# Altium PCB HealthSensors.PcbDoc
Units mm, origin at the board's own origin, x right, y up, seen from the top; angles counter-clockwise.
Board outline 50.5 x 66 mm, 2 copper layers (Top Layer, Bottom Layer); 149 components, 106 nets, 509 pads, 103 vias.
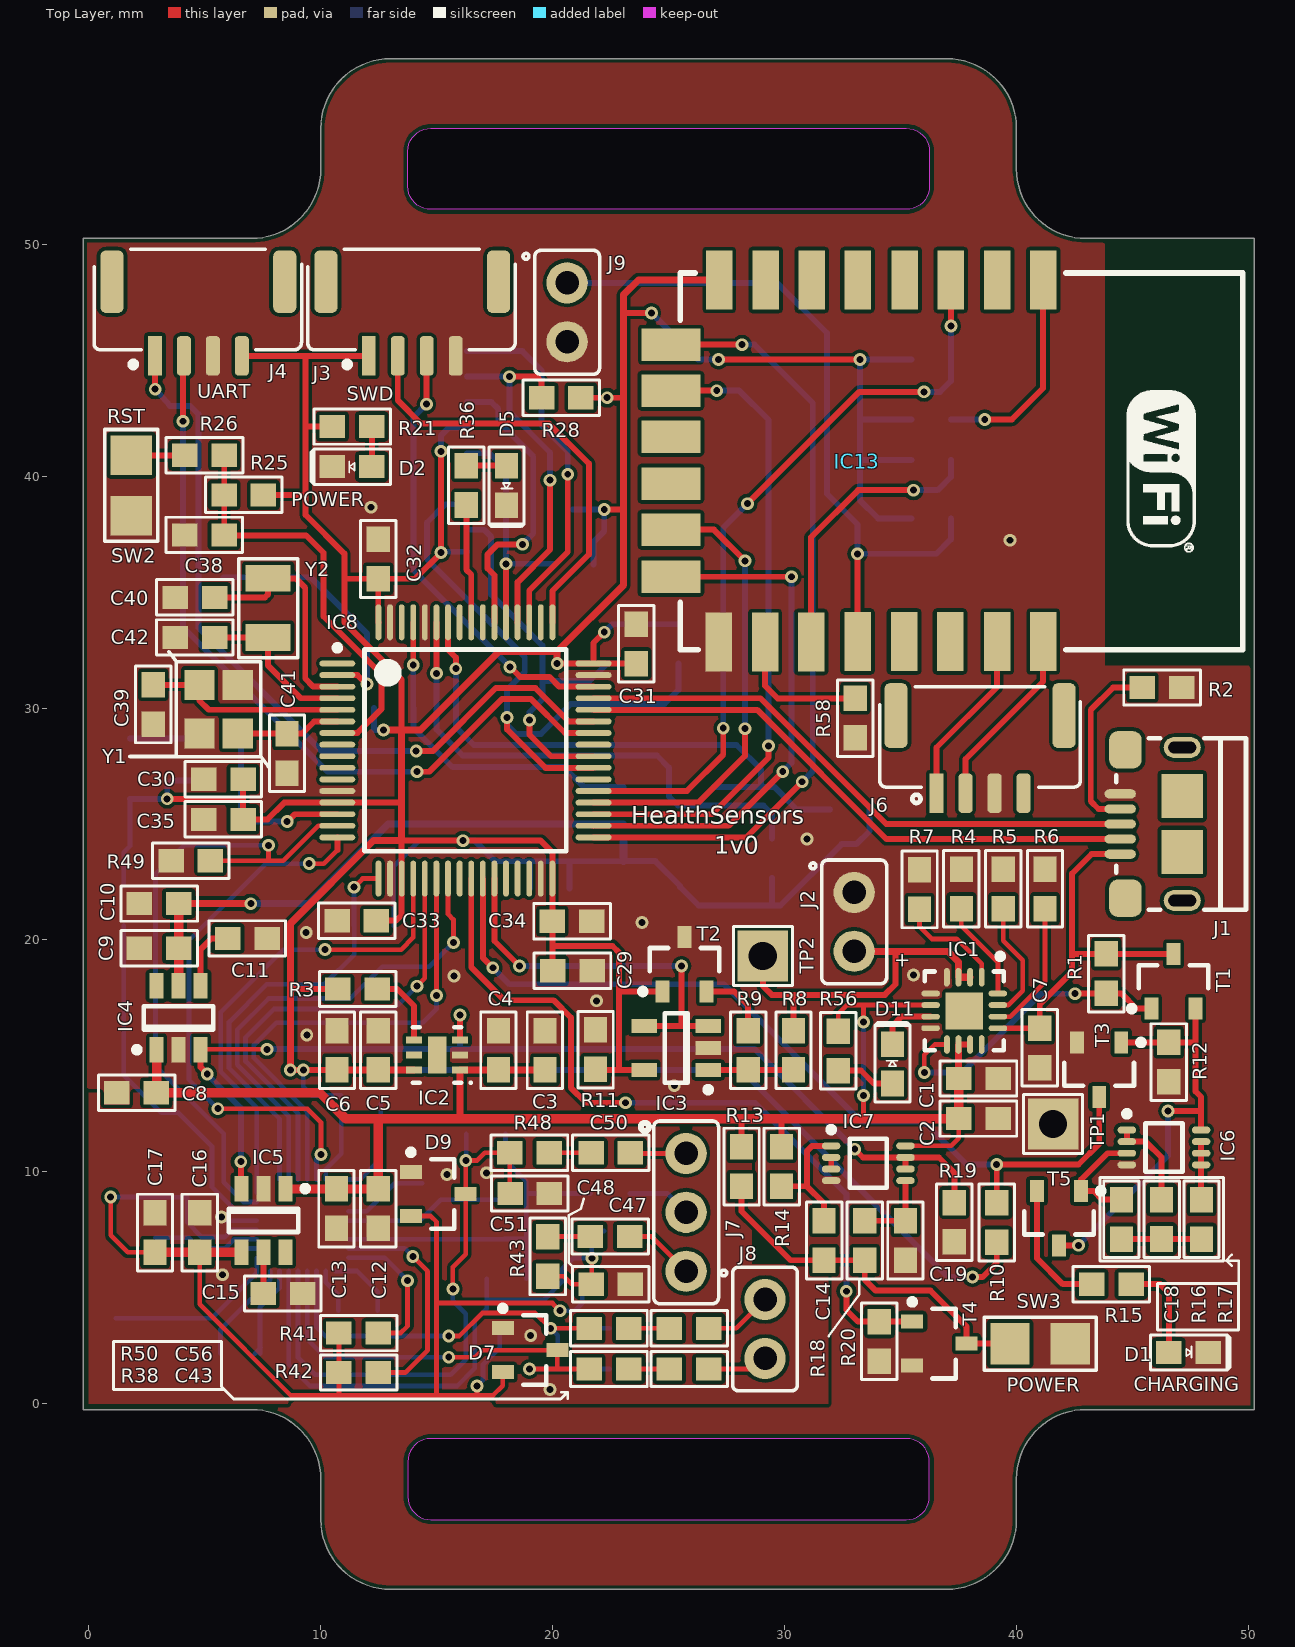
[diagram p0: Top Layer view]
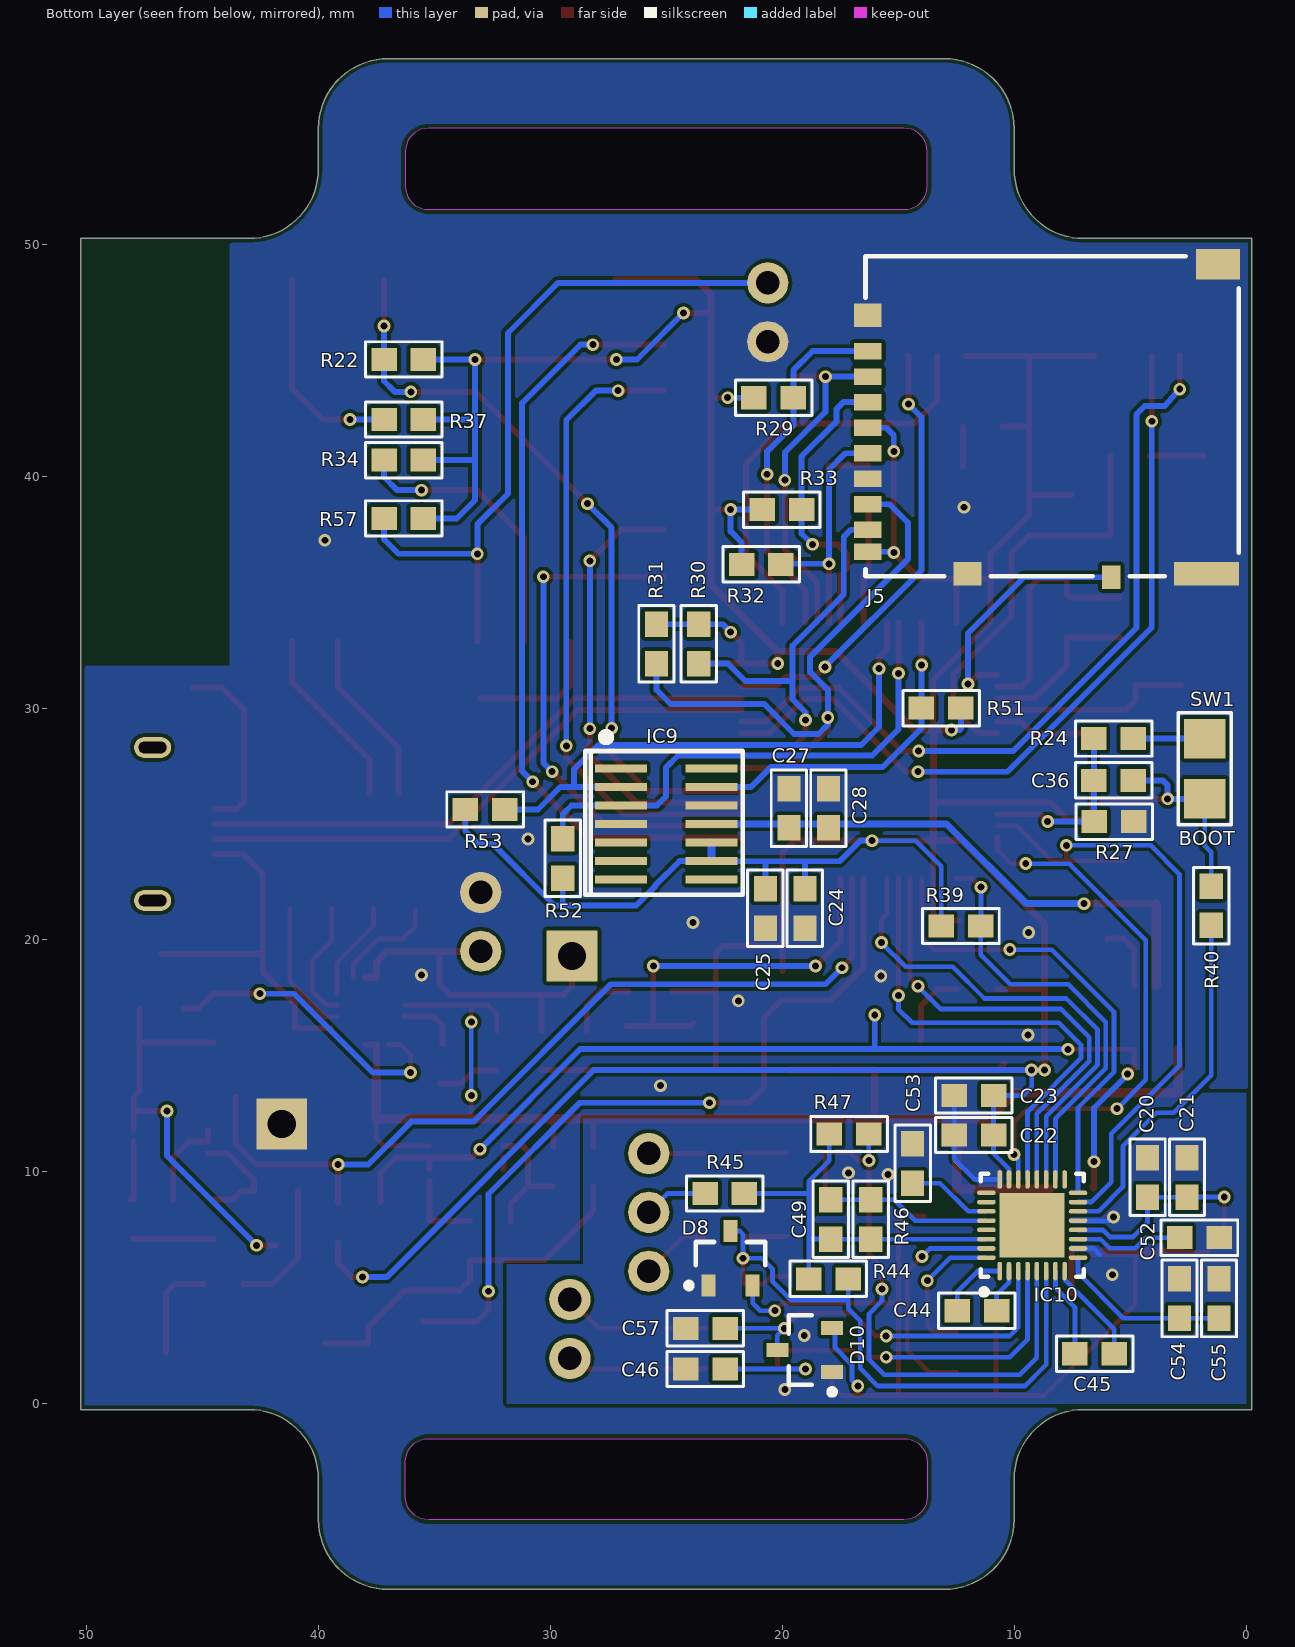
[diagram p1: Bottom Layer view, seen from below]

## Layer stack, top to bottom
Top Solder: solder mask 0.0102, Solder Resist, Dk 3.5
Top Layer: signal copper 0.0356
Dielectric 1: dielectric 0.32, FR-4, Dk 4.8
Bottom Layer: signal copper 0.0356
Bottom Solder: solder mask 0.0102, Solder Resist, Dk 3.5

## Board outline
-0.25,-0.25 7,-0.25 cw(c7,-3.25) 10,-3.25 10,-5 ccw(c13,-5) 13,-8 37,-8 ccw(c37,-5) 40,-5 40,-3.25 cw(c43,-3.25) 43,-0.25 50.25,-0.25 50.25,50.25 43,50.25 cw(c43,53.25) 40,53.25 40,55 ccw(c37,55) 37,58 13,58 ccw(c13,55) 10,55 10,53.25 cw(c7,53.25) 7,50.25 -0.25,50.25
cut-out: 13.75,52.5 13.75,54 cw(c14.75,54) 14.75,55 35.25,55 cw(c35.25,54) 36.25,54 36.25,52.5 cw(c35.25,52.5) 35.25,51.5 14.75,51.5 cw(c14.75,52.5)
cut-out: 13.75,-4 ccw(c14.75,-4) 14.75,-5 35.25,-5 ccw(c35.25,-4) 36.25,-4 36.25,-2.5 ccw(c35.25,-2.5) 35.25,-1.5 14.75,-1.5 ccw(c14.75,-2.5) 13.75,-2.5

## Design rules (kind name [scope] priority, off if disabled: settings)
BoardOutlineClearance [All] p1: gap=0.175 ignorepadtopadclearanceinfootprint=FALSE
Clearance [All] p1: gap=0.152 ignorepadtopadclearanceinfootprint=FALSE
HoleSize [All] p1: absolutevalues=TRUE maxlimit=2 minlimit=0.3 maxpercent=80.000 minpercent=20.000
HoleToHoleClearance [All] p1: gap=0.2 allowstackedmicrovias=TRUE
MinimumSolderMaskSliver [All] p1: minsoldermaskwidth=0.102
PolygonConnect [All] p1: connectstyle=Direct reliefconductorwidth=0.254 reliefentries=4 polygonreliefangle="90 Angle" airgapwidth=0.254
RoutingVias [All] p1: holewidth=0.3 width=2 viastyle="Through Hole" minholewidth=0.3 minwidth=0.55 maxholewidth=1 maxwidth=0.55
SilkToSilkClearance [All] p1: silktosilkclearance=0
SilkToSolderMaskClearance [IsPad] p1: minsilkscreentomaskgap=0.1 clearancetoexposedcopper=TRUE
SolderMaskExpansion [All] p1: expansion=0
Width [All] p1: maxlimit=1.016 minlimit=0.152 preferedwidth=0.203 minimp=50.000000 maximp=50.000000 favimp=50.000000
25 further rules are at their usual default settings.

## Components (designator, comment, footprint, x,y, rotation, side; value= is the part's Value field where it differs from the comment)
C1 "4.7uF" "CAP 0603" 38.362,14.025 r180 top
C2 "100nF" "CAP 0603" 38.362,12.297 r180 top
C3 "100nF" "CAP 0603" 19.667,15.244 r270 top
C4 "10uF" "CAP 0603" 17.661,15.244 r270 top
C5 "1uF" "CAP 0603" 12.479,15.244 r270 top
C6 "100nF" "CAP 0603" 10.701,15.244 r270 top
C7 "1uF" "CAP 0603" 41.003,15.345 r90 top
C8 "100nF" "CAP 0603" 2.057,13.411 r0 top
C9 "2.2uF" "CAP 0603" 3.03,19.638 r0 top
C10 "100nF" "CAP 0603" 3.03,21.568 r0 top
C11 "10nF" "CAP 0603" 6.833,20.066 r180 top
C12 "100nF" "CAP 0603" 12.479,8.411 r90 top
C13 "1uF" "CAP 0603" 10.676,8.411 r90 top
C14 "1uF" "CAP 0603" 31.707,7.04 r90 top
C15 "10nF" "CAP 0603" 8.364,4.754 r180 top
C16 "1uF" "CAP 0603" 4.783,7.382 r270 top
C17 "100nF" "CAP 0603" 2.852,7.382 r270 top
C18 "10uF" "CAP 0603" 44.526,7.95 r90 top
C19 "1uF" "CAP 0603" 35.212,7.04 r90 top
C20 "1uF" "CAP 0603" 4.245,9.76 r270 bottom
C21 "100nF" "CAP 0603" 2.543,9.76 r270 bottom
C22 "1uF" "CAP 0603" 11.738,11.589 r180 bottom
C23 "100nF" "CAP 0603" 11.738,13.29 r180 bottom
C24 "10uF" "CAP 0603" 19.025,21.361 r90 bottom
C25 "100nF" "CAP 0603" 20.726,21.361 r90 bottom
C27 "4.7uF" "CAP 0603" 19.71,25.679 r270 bottom
C28 "100nF" "CAP 0603" 18.009,25.679 r270 bottom
C29 "4.7uF" "CAP 0603" 20.853,18.669 r180 top
C30 "1uF" "CAP 0603" 5.799,26.928 r0 top
C31 "100nF" "CAP 0603" 23.604,32.77 r270 top
C32 "100nF" "CAP 0603" 12.479,36.427 r270 top
C33 "100nF" "CAP 0603" 11.553,20.832 r0 top
C34 "100nF" "CAP 0603" 20.836,20.806 r180 top
C35 "100nF" "CAP 0603" 5.799,25.201 r0 top
C36 "100nF" "CAP 0603" 5.711,26.881 r180 bottom
C38 "100nF" "CAP 0603" 4.978,37.465 r0 top
C39 "15pF" "CAP 0603" 2.776,30.154 r90 top
C40 "15pF" "CAP 0603" 4.572,34.773 r0 top
C41 "15pF" "CAP 0603" 8.542,28.045 r90 top
C42 "15pF" "CAP 0603" 4.572,33.045 r0 top
C43 "1uF" "CAP 0603" 25.883,1.499 r180 top
C44 "4.7nF" "CAP 0603" 11.608,4.013 r180 bottom
C45 "4.7nF" "CAP 0603" 6.528,2.159 r180 bottom
C46 "1nF" "CAP 0603" 23.317,1.499 r180 bottom
C47 "1uF" "CAP 0603" 22.479,7.214 r180 top
C48 "1nF" "CAP 0603" 22.504,5.156 r180 top
C49 "1.5nF" "CAP 0603" 17.907,7.95 r270 bottom
C50 "1uF" "CAP 0603" 22.504,10.82 r180 top
C51 "1nF" "CAP 0603" 19.013,9.068 r180 top
C52 "1uF" "CAP 0603" 2.007,7.163 r0 bottom
C53 "1uF" "CAP 0603" 14.376,10.363 r270 bottom
C54 "10uF" "CAP 0603" 2.867,4.54 r270 bottom
C55 "100nF" "CAP 0603" 1.165,4.54 r270 bottom
C56 "1uF" "CAP 0603" 25.883,3.251 r180 top
C57 "1nF" "CAP 0603" 23.317,3.251 r180 bottom
D1 "Orange" "LED 0603" 47.422,2.21 r0 top
D2 "Green" "LED 0603" 11.354,40.411 r180 top
D5 "Green" "LED 0603" 18.009,39.599 r270 top
D7 "BAT54S" SOT23 19.025,2.311 r0 top
D8 "BAT54S" SOT23 22.225,6.274 r90 bottom
D9 "BAT54S" SOT23 15.062,9.042 r0 top
D10 "BAT54S" SOT23 19.025,2.311 r0 bottom
D11 "Orange" "LED 0603" 34.653,14.66 r90 top
IC1 "BQ24232" QFN16 37.75,16.942 r270 top
IC2 "LP5912-3.3V" "WSON 6" 15.015,15.041 r180 top
IC3 "AS321" "SOT23, 5-Leads" 25.331,15.345 r180 top
IC4 "TPS799" "SOT23, 6-Leads" 3.868,16.641 r90 top
IC5 "TPS79133DBVREP" "SOT23, 6-Leads" 7.526,7.903 r270 top
IC6 "SN74LVC2G132" TSSOP8 46.363,11.053 r0 top
IC7 "SN74LVC2G132" TSSOP8 33.612,10.371 r0 top
IC8 "STM32L162" LQFP64_L 16.238,28.172 r0 top value=STM32L162RDT
IC9 "MAX30102" MAX30102 25,25 r180 bottom
IC10 "ADS1292" "QFN 40 no via in pad" 9.22,7.696 r90 bottom
IC13 "ESP12-E" "ESP8266 ESP-12-E" 24.74,31.877 r270 top
J1 "USB Micro" "FCI USB 10118193-0001LF" 47.1,25 r270 top
J2 "2 pin" "HDR 1x2 2.54" 33.002,20.781 r270 top
J3 "4 Pin GH SM" SM04B 13.945,46.787 r180 top
J4 "4 Pin GH SM" SM04B 4.724,46.787 r180 top
J5 "Micro SD" "HIROSE DM3AT-SF-PEJM5" 8.484,42.189 r90 bottom
J6 "4 Pin GH" BM04B 38.43,28.753 r180 top
J7 "3 Pin" "HDR 1x3 2.54" 25.756,8.255 r270 top
J8 "2 pin" "HDR 1x2 2.54" 29.159,3.226 r270 top
J9 "2 pin" "HDR 1x2 2.54" 20.625,47.066 r270 top
R1 "10k" "RES 0603" 43.873,18.546 r90 top
R2 "100k" "RES 0603" 46.279,30.886 r180 top
R3 "100k" "RES 0603" 11.59,17.885 r180 top
R4 "4.3k" "RES 0603" 37.625,22.203 r270 top
R5 "3.6k" "RES 0603" 39.428,22.203 r270 top
R6 "56k" "RES 0603" 41.232,22.203 r270 top
R7 "10k" "RES 0603" 35.822,22.178 r270 top
R8 "30k" "RES 0603" 30.386,15.244 r90 top
R9 "100k" "RES 0603" 28.43,15.244 r270 top
R10 "10k" "RES 0603" 39.149,7.815 r270 top
R11 "100k" "RES 0603" 21.852,15.269 r270 top
R12 "10k" "RES 0603" 46.566,14.736 r90 top
R13 "100k" "RES 0603" 28.147,10.229 r90 top
R14 "100k" "RES 0603" 29.874,10.229 r90 top
R15 "470" "RES 0603" 44.094,5.156 r180 top
R16 "100k" "RES 0603" 46.261,7.954 r90 top
R17 "51k" "RES 0603" 47.981,7.95 r90 top
R18 "5M" "RES 0603" 33.459,7.04 r270 top
R19 "100k" "RES 0603" 37.32,7.827 r90 top
R20 "100k" "RES 0603" 34.087,2.692 r90 top
R21 "470" "RES 0603" 11.354,42.139 r180 top
R22 "10k" "RES 0603" 36.322,45.034 r180 bottom
R24 "1k" "RES 0603" 5.711,28.684 r180 bottom
R25 "10k" "RES 0603" 6.68,39.192 r0 top
R26 "1k" "RES 0603" 4.986,40.898 r180 top
R27 "10k" "RES 0603" 5.686,25.103 r0 bottom
R28 "47k" "RES 0603" 20.371,43.383 r180 top
R29 "47k" "RES 0603" 20.371,43.383 r180 bottom
R30 "47k" "RES 0603" 23.597,32.766 r270 bottom
R31 "47k" "RES 0603" 25.425,32.766 r270 bottom
R32 "47k" "RES 0603" 20.904,36.195 r180 bottom
R33 "47k" "RES 0603" 20.015,38.557 r180 bottom
R34 "10k" "RES 0603" 36.322,40.691 r180 bottom
R36 "470" "RES 0603" 16.278,39.606 r270 top
R37 "10k" "RES 0603" 36.322,42.443 r180 bottom
R38 "30k" "RES 0603" 22.428,1.499 r180 top
R39 "10k" "RES 0603" 12.294,20.599 r0 bottom
R40 "10k" "RES 0603" 1.499,21.475 r90 bottom
R41 "10k" "RES 0603" 11.633,3.048 r180 top
R42 "10k" "RES 0603" 11.633,1.346 r180 top
R43 "30k" "RES 0603" 19.787,6.35 r270 top
R44 "10M" "RES 0603" 18.009,5.385 r0 bottom
R45 "30k" "RES 0603" 22.479,9.068 r180 bottom
R46 "1.5M" "RES 0603" 16.18,7.95 r270 bottom
R47 "10M" "RES 0603" 17.12,11.633 r0 bottom
R48 "30k" "RES 0603" 18.999,10.82 r180 top
R49 "10k" "RES 0603" 4.394,23.419 r0 top
R50 "30k" "RES 0603" 22.428,3.251 r180 top
R51 "10k" "RES 0603" 13.146,29.997 r180 bottom
R52 "10k" "RES 0603" 29.464,23.52 r270 bottom
R53 "10k" "RES 0603" 32.817,25.629 r0 bottom
R56 "10k" "RES 0603" 32.316,15.218 r90 top
R57 "10k" "RES 0603" 36.322,38.176 r180 bottom
R58 "10k" "RES 0603" 33.045,29.566 r90 top
SW1 "BUTTON-NO" "SW OMRON" 1.778,27.381 r90 bottom
SW2 "BUTTON-NO" "SW OMRON" 1.829,39.599 r270 top
SW3 "BUTTON-NO" "SW OMRON" 41.021,2.591 r0 top
T1 "FDV304P" SOT23 46.769,18.216 r90 top
T2 "2N7002" SOT23 25.687,18.952 r90 top
T3 "2N7002" SOT23 43.569,14.406 r270 top
T4 "2N7002" SOT23 36.678,2.591 r0 top
T5 "2N7002" SOT23 41.834,8.001 r270 top
TP1 "Test Point" "TP THT 48MILS" 41.58,12.065 r0 top
TP2 "Test Point" "TP THT 48MILS" 29.065,19.308 r0 top
Y1 "20M" "RESONATOR ILCX13" 5.57,29.95 r270 top
Y2 "Resonator" "RESONATOR CFPX–217" 7.729,34.319 r90 top

## Footprints (in the part's own frame and the unit in brackets; to place one, negate y for a bottom-side part, rotate by r counter-clockwise, add the part's x,y. Pads: shape width x height; smd on the part's side, far side on the other; paste and mask are expansions set on the pad)
BM04B [mm]
  rect 0.6x1.7 smd: 1(1.875,2.425)
  rrect50% 0.6x1.7 smd: 2(0.625,2.425) 3(-0.625,2.425) 4(-1.875,2.425)
  rrect50% 1x2.8 smd: 5(-3.625,-0.925) 6(3.625,-0.925)
  silkscreen extent -4.32,-2.16 4.32,2.84, body extent -4.15,-2.02 4.12,2.73, height 4
"CAP 0603" [mm] "Chip Capacitor, 2-Leads"
  rect 1.1x1 smd: 1(-0.85,0) 2(0.85,0)
  silkscreen extent -1.65,-0.76 1.65,0.76, body extent -0.8,-0.4 0.8,0.4, height 0.8
"ESP8266 ESP-12-E" [mil] "ESP8266 ESP-12-E"
  rect 100x45 smd: 1(-653,646) 2(-653,568) 3(-653,489) 4(-653,411) 5(-653,331) 6(-653,253) 7(-653,175) 8(-653,96) 15(-38,95) 16(-38,174) 17(-38,252) 18(-39,331) 19(-39,410) 20(-39,488) 21(-39,568) 22(-39,646)
  rect 55x100 smd: 9(-543,14) 10(-465,14) 11(-387,14) 12(-307,14) 13(-229,14) 14(-149,14)
  silkscreen extent -665,30 -25,985, body extent -659,33 -29,979, height 150
"FCI USB 10118193-0001LF" [mm] "USB 2.0 Type B Micro"
  oval 0.4x1.35 smd: 1(1.3,-2.625) 2(0.65,-2.625) 3(0,-2.625) 4(-0.65,-2.625) 5(-1.3,-2.625)
  oval 0.9x1.6 hole 0.5 slot 1.2 at 90 deg: S(-3.3,0.05) S(3.3,0.05)
  rrect50% 1.6x1.4 smd: S(-3.2,-2.4) S(3.2,-2.4)
  rect 1.9x1.8 smd: S(-1.2,0.05) S(1.2,0.05)
  silkscreen extent -3.7,-2.8 3.7,2.8, body extent -3.93,-2.9 3.93,2.76, height 2.78
"HDR 1x2 2.54" [mil]
  round 70 hole 40: 1(-50,0) 2(50,0)
  silkscreen extent -105,-75 105,55, body extent -100,-47 100,47, height 339
"HDR 1x3 2.54" [mil]
  round 70 hole 40: 1(-100,0) 2(0,0) 3(100,0)
  silkscreen extent -155,-77 155,55, body extent -150,-47 149,47, height 339
"HIROSE DM3AT-SF-PEJM5" [mm]
  rect 0.7x1.2 smd: 1(3.2,7.825) 2(2.1,7.825) 3(1,7.825) 4(-0.1,7.825) 5(-1.2,7.825) 6(-2.3,7.825) 7(-3.4,7.825) 8(-4.5,7.825) 9(-5.45,7.825)
  rect 1x0.8 smd: 10(-6.55,-2.675)
  rect 1x2.8 smd: S(-6.4,-6.775)
  rect 1x1.2 smd: S(-6.4,3.525) S(4.75,7.825)
  rect 1.3x1.9 smd: S(6.95,-7.275)
  silkscreen extent -6.5,-8.18 7.3,7.93, body extent -6.53,-8.17 7.32,7.98, height 1.68
"LED 0603" [mm] "Chip Diode, 2-Leads"
  rect 1.1x1 smd: 1(-0.85,0) 2(0.85,0)
  silkscreen extent -1.65,-0.76 1.78,0.76, body extent -0.8,-0.4 0.8,0.4, height 0.53
LQFP64_L [mm] "Thin QFP, 64-Leads, Body 10x10mm, Pitch 0.5mm, IPC High Density"
  oval 1.55x0.25 smd: 1(-5.525,3.75) 2(-5.525,3.25) 3(-5.525,2.75) 4(-5.525,2.25) 5(-5.525,1.75) 6(-5.525,1.25) 7(-5.525,0.75) 8(-5.525,0.25) 9(-5.525,-0.25) 10(-5.525,-0.75) 11(-5.525,-1.25) 12(-5.525,-1.75) 13(-5.525,-2.25) 14(-5.525,-2.75) 15(-5.525,-3.25) 16(-5.525,-3.75) 33(5.525,-3.75) 34(5.525,-3.25) 35(5.525,-2.75) 36(5.525,-2.25) 37(5.525,-1.75) 38(5.525,-1.25) 39(5.525,-0.75) 40(5.525,-0.25) 41(5.525,0.25) 42(5.525,0.75) 43(5.525,1.25) 44(5.525,1.75) 45(5.525,2.25) 46(5.525,2.75) 47(5.525,3.25) 48(5.525,3.75)
  oval 0.25x1.55 smd: 17(-3.75,-5.525) 18(-3.25,-5.525) 19(-2.75,-5.525) 20(-2.25,-5.525) 21(-1.75,-5.525) 22(-1.25,-5.525) 23(-0.75,-5.525) 24(-0.25,-5.525) 25(0.25,-5.525) 26(0.75,-5.525) 27(1.25,-5.525) 28(1.75,-5.525) 29(2.25,-5.525) 30(2.75,-5.525) 31(3.25,-5.525) 32(3.75,-5.525) 49(3.75,5.525) 50(3.25,5.525) 51(2.75,5.525) 52(2.25,5.525) 53(1.75,5.525) 54(1.25,5.525) 55(0.75,5.525) 56(0.25,5.525) 57(-0.25,5.525) 58(-0.75,5.525) 59(-1.25,5.525) 60(-1.75,5.525) 61(-2.25,5.525) 62(-2.75,5.525) 63(-3.25,5.525) 64(-3.75,5.525)
  silkscreen extent -5.65,-4.35 4.35,4.55, body extent -5,-5 5,5, height 1.6
MAX30102 [mm]
  rect 2.25x0.35 smd mask+0: 1(-1.95,2.4) 2(-1.95,1.6) 3(-1.95,0.8) 4(-1.95,0) 5(-1.95,-0.8) 6(-1.95,-1.6) 7(-1.95,-2.4) 8(1.95,-2.4) 9(1.95,-1.6) 10(1.95,-0.8) 11(1.95,0) 12(1.95,0.8) 13(1.95,1.6) 14(1.95,2.4)
  silkscreen extent -3.5,-3.05 3.3,3.8, body extent -1.65,-2.8 1.65,2.8, height 1
QFN16 [mm] "QFN, 16-Leads, Body 3.00x3.00mm, Pitch 0.50mm, Thermal Pad 1.68x1.68mm, IPC Medium Density"
  oval 0.8x0.25 smd: 1(-1.45,0.75) 2(-1.45,0.25) 3(-1.45,-0.25) 4(-1.45,-0.75) 9(1.45,-0.75) 10(1.45,-0.25) 11(1.45,0.25) 12(1.45,0.75)
  oval 0.25x0.8 smd: 5(-0.75,-1.45) 6(-0.25,-1.45) 7(0.25,-1.45) 8(0.75,-1.45) 13(0.75,1.45) 14(0.25,1.45) 15(-0.25,1.45) 16(-0.75,1.45)
  rect 1.6x1.6 smd: 17(0,0)
  silkscreen extent -2.47,-1.7 1.7,1.7, body extent -1.55,-1.55 1.55,1.55, height 1
"QFN 40 no via in pad" [mm] "QFN, 32-Leads, Body 4,00x4,00mm, Pitch 0,40mm, Thermal Pad 2,80x2,80mm, IPC Medium Density"
  oval 0.8x0.2 smd mask+0: 1(-1.975,1.4) 2(-1.975,1) 3(-1.975,0.6) 4(-1.975,0.2) 5(-1.975,-0.2) 6(-1.975,-0.6) 7(-1.975,-1) 8(-1.975,-1.4) 17(1.975,-1.4) 18(1.975,-1) 19(1.975,-0.6) 20(1.975,-0.2) 21(1.975,0.2) 22(1.975,0.6) 23(1.975,1) 24(1.975,1.4)
  oval 0.2x0.8 smd mask+0: 9(-1.4,-1.975) 10(-1,-1.975) 11(-0.6,-1.975) 12(-0.2,-1.975) 13(0.2,-1.975) 14(0.6,-1.975) 15(1,-1.975) 16(1.4,-1.975) 25(1.4,1.975) 26(1,1.975) 27(0.6,1.975) 28(0.2,1.975) 29(-0.2,1.975) 30(-0.6,1.975) 31(-1,1.975) 32(-1.4,1.975)
  rect 2.8x2.8 smd mask+0: 33(0,0)
  silkscreen extent -3,-2.22 2.22,2.22, body extent -2.08,-2.08 2.08,2.08, height 1
"RES 0603" [mm] "Chip Resistor, 2-Leads"
  rect 1.1x1 smd: 1(-0.85,0) 2(0.85,0)
  silkscreen extent -1.65,-0.76 1.65,0.76, body extent -0.8,-0.4 0.8,0.4, height 0.35
"RESONATOR CFPX–217" [mm] "RESONATOR, CFPX–217, 32k"
  rect 1.15x1.95 smd: 1(-1.275,0) 2(1.275,0)
  silkscreen extent -2.15,-1.27 2.12,1.27, body extent -1.57,-0.8 1.63,0.8, height 0.55
"RESONATOR ILCX13" [mm] "RESONATOR, ILCX13, 20MHz"
  rect 1.3x1.3 smd: 1(-1.05,-0.8) 2(1.05,-0.8) 3(1.05,0.85) 4(-1.05,0.85)
  silkscreen extent -2.47,-2.12 2.47,2.17, body extent -1.55,-1.25 1.5,1.35, height 0.55
SM04B [mm]
  rect 0.6x1.7 smd: 1(1.875,1.6)
  rrect50% 0.6x1.7 smd: 2(0.625,1.6) 3(-0.625,1.6) 4(-1.875,1.6)
  rrect50% 1x2.7 smd: M1(3.725,-1.6) M2(-3.725,-1.6)
  silkscreen extent -4.45,-3 4.5,2.05, body extent -4.16,-2.82 4.15,1.91, height 4.25
SOT23 [mm] "SOT23, 3-Leads, Body 2.90x2.40mm, Pitch 0.95mm, IPC Medium Density"
  rect 0.95x0.6 smd: 1(-1.175,0.95) 2(-1.175,-0.95) 3(1.175,0)
  silkscreen extent -1.3,-1.5 0.7,1.92, body extent -0.7,-1.5 0.7,1.5, height 1.1
"SOT23, 5-Leads" [mm] "SOT23, 5-Leads, Body 2.88x2.80mm, Pitch 0.95mm, IPC Medium Density"
  rect 1.1x0.6 smd: 1(-1.375,0.95) 2(-1.375,0) 3(-1.375,-0.95) 4(1.375,-0.95) 5(1.375,0.95)
  silkscreen extent -1.5,-1.5 0.5,1.92, body extent -0.88,-1.5 0.87,1.5, height 1.45
"SOT23, 6-Leads" [mm] "SOT23, 6-Leads, Body 2.88x2.80mm, Pitch 0.95mm, IPC Medium Density"
  rect 1.1x0.6 smd: 1(-1.375,0.95) 2(-1.375,0) 3(-1.375,-0.95) 4(1.375,-0.95) 5(1.375,0) 6(1.375,0.95)
  silkscreen extent -1.5,-1.5 0.5,1.92, body extent -0.88,-1.5 0.87,1.5, height 1.45
"SW OMRON" [mm] "SWITCH, OMRON, SMALL"
  rect 1.7x1.8 smd mask+0: 1(-1.3,0) 2(1.3,0)
  silkscreen extent -2.41,-1.14 2.41,1.14, body extent -1.51,-1.25 1.49,1.25, height 1.6
"TP THT 48MILS" [mil]
  rect 86x86 hole 48: 1(0,0)
  silkscreen extent -50,-50 50,50
TSSOP8 [mm] "TSSOP, 8-Leads, Body 2.00x2.30mm, Pitch 0.50mm, IPC Medium Density"
  oval 0.8x0.3 smd: 1(-1.6,0.75) 2(-1.6,0.25) 3(-1.6,-0.25) 4(-1.6,-0.75) 5(1.6,-0.75) 6(1.6,-0.25) 7(1.6,0.25) 8(1.6,0.75)
  silkscreen extent -1.72,-1.05 0.8,1.57, body extent -1.2,-1.05 1.2,1.05, height 0.9
"WSON 6" [mm] "SON, 6-Leads, Body 2.00x2.00mm, Pitch 0.65mm, Thermal Pad 1.60x0.89mm, IPC Medium Density"
  rect 0.7x0.3 smd: 1(-0.995,0.65) 2(-0.995,0) 3(-0.995,-0.65) 4(0.995,-0.65) 5(0.995,0) 6(0.995,0.65)
  rect 0.8x1.6 smd: 7(0,0)
  silkscreen extent -1.5,-1.2 1.05,1.25, body extent -1.05,-1.05 1.05,1.05, height 0.8

## Part data
C1 C2 C3 C4 C5 C6 C7 C8 C9 C10 C11 C12 C13 C14 C15 C16 C17 C18 C19 C20 C21 C22 C23 C24 C25 C27 C28 C29 C30 C31 C32 C33 C34 C35 C36 C38 C39 C40 C41 C42 C43 C44 C45 C46 C47 C48 C49 C50 C51 C52 C53 C54 C55 C56 C57: library part Capacitor, "SMT Capacitor"
D1 D2 D5 D11: library part LED, "Chip LED"
D7 D8 D9 D10: "Schottky barrier diodes"
IC1: library part "TI BQ24232", "USB Friendly 0.5A Li+ Charger w/ Dynamic Power Management"
IC2: library part "TI LP5912-3.3V", "50 mA, 3 V TO 50 V, MICROPOWER, LOW-DROPOUT LINEAR REGULATOR"
IC3: "Op amp"
IC4: library part "TI TPS799", "TPS799 200-mA, Low-Quiescent Current, Ultralow Noise, High-PSRR Low-Dropout Linear  Regulator"
IC5: library part "TI TPS79133DBVREP", "ULTRALOW NOISE, HIGH PSRR, FAST RF, 100-mA  LOW-DROPOUT LINEAR REGULATORS"
IC6 IC7: "Dual 2-Input NAND Gate With Schmitt-Trigger Inputs"
IC8: "STM32 ARM-based 32-bit MCU with 32 Kbytes Flash, 64-pin LQFP", Package=LQFP64, ComponentLink1Description=http://www.st.com/content/ccc/resource/technical/document/datasheet/ee/d5/84/2b/a9/ae/44/3d/DM00039232.pdf/files/DM00039232.pdf/jcr:content/translations/en.DM00039232.pdf, ComponentLink1URL=http://www.st.com/stonline/products/literature/ds/13586.pdf
IC9: "Pulse Oximeter and Heart-Rate Sensor"
IC10: library part ADS1292IRSMT, "ADS1292IRSMT Analog Front End - AFE Cmplt Lw Pwr Intgrtd AFE for ECG apps", Manufacture="Texas Instruments", Operating Supply Curren="750 uA", Operating Supply Voltage="1.7 V to 3.6 V, 2.7 V to 5.25 V", Package/Cas=VQFN-32, Supply Voltage - Min - Max="2.7V - 5.25V", DatasheetURL=http://www.ti.com/lit/ds/symlink/ads1292.pdf, Product Category="Analog Front End - AFE", Series=ADS1292, SNR - Signal to Noise Ratio="107 dB", StoreURL=http://pl.mouser.com/Search/ProductDetail.aspx?R=ADS1292IRSMTvirtualkey59500000virtualkey595-ADS1292IRSMT
IC13: library part ESP-12E, "Wifi module, esp12-e, based on ESP8266 chip"
J1: library part "USB 2.0 Type B Micro", "Micro usb"
J2 J9: "2 pin header, male"
J3 J4: "Zlacze GH, meskie, poziome, 4 piny, SMD"
J5: library part "Hirose DM3 MicroSD", "Micro sd card slot"
J6: "Zlacze GH, meskie, proste, 4 piny, SMD"
J7: "3 pin header, male"
J8: library part "2 Pin", "2 pin header, male"
R1 R2 R3 R4 R5 R6 R7 R8 R9 R10 R11 R12 R13 R14 R15 R16 R17 R18 R19 R20 R21 R22 R24 R25 R26 R27 R28 R29 R30 R31 R32 R33 R34 R36 R37 R38 R39 R40 R41 R42 R43 R44 R45 R46 R47 R48 R49 R50 R51 R52 R53 R56 R57 R58: library part Resistor, "SMDResistor"
SW1 SW2 SW3: library part "BUTTON-NO 2 PIN Small", "Button, SMD, Small, 2.5x3mm"
T1: library part P-MOSFET, "Unipolar transistor P-MOSFET"
T2 T3 T4 T5: library part N-MOSFET, "Unipolar transistor N-MOSFET"
Y1: library part "Resonator (4pin)", "Resonator"

## Via types
v1: diameter 0.55, hole 0.3, Top Layer to Bottom Layer, 103 vias
